# Altium PCB PCB_Ruler_v2.0.PcbDoc (part 2 of 3)
Units mm, origin at the board's own origin, x right, y up, seen from the top; angles counter-clockwise.
Board outline 210.01 x 40 mm, 2 copper layers (Top Layer, Bottom Layer); 1 components, 0 nets, 962 pads, 0 vias.
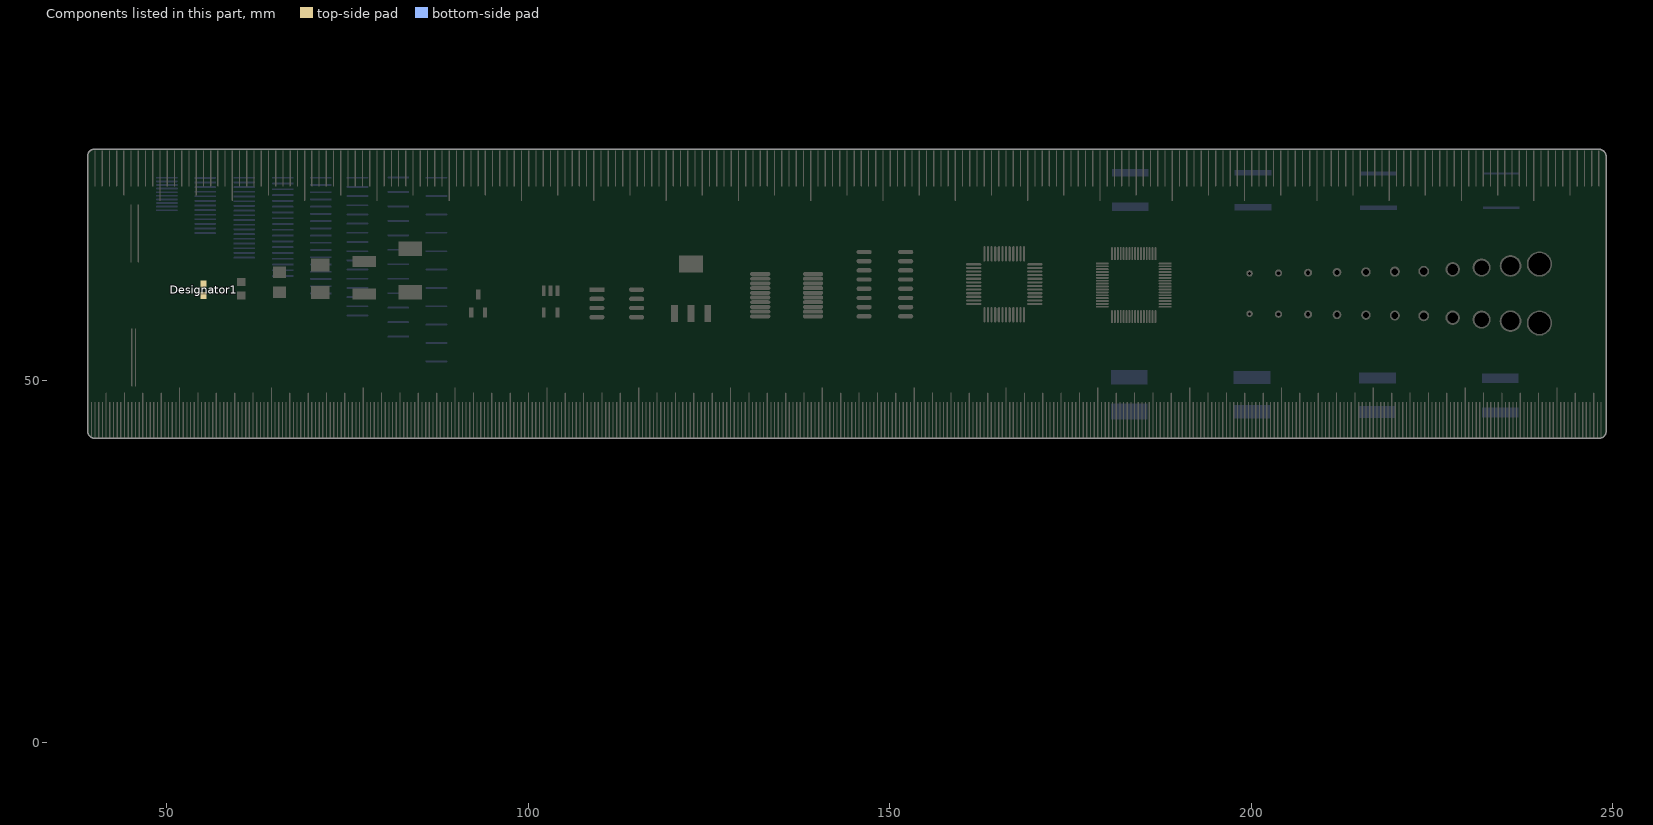
[diagram p2: the components of this part, seen from the top]

## Nets (pads, with @x,y where several pads share a name; then routed paths per layer and width w, separated by ;. In a path a pad name is that pad's centre, name@x,y a point inside that pad or via, vN(x,y) a via of type N, cw(c..) or ccw(c..) an arc to the next point about the centre after c; other vN are vias at no path point) (continued)
copper on no net: (continued)
  Bottom Layer w0.051: 121.666,73.872 122.479,73.872 ; 121.666,73.923 122.479,73.923 ; 121.666,73.974 122.53,73.974 ; 121.666,74.025 123.394,74.025 ; 121.717,73.771 122.581,73.771 ; 121.717,73.822 122.479,73.822 ; 121.717,74.076 123.038,74.076 ; 121.717,74.126 122.987,74.126 ; 121.819,74.177 122.987,74.177 ; 121.87,70.418 122.022,70.418 ; 121.92,70.367 121.971,70.367 ; 121.971,70.266 122.022,70.266 ; 121.971,70.316 122.022,70.316 ; 121.971,73.72 123.292,73.72 ; 122.022,70.164 122.073,70.164 ; 122.022,70.215 122.073,70.215 ; 122.073,70.062 122.225,70.062 ; 122.073,70.113 122.225,70.113 ; 122.124,69.91 122.174,69.91 ; 122.124,69.961 122.174,69.961 ; 122.124,70.012 122.174,70.012 ; 122.124,70.164 122.276,70.164 ; 122.124,70.215 122.276,70.215 ; 122.124,72.653 123.546,72.653 ; 122.124,72.704 123.495,72.704 ; 122.124,72.755 123.444,72.755 ; 122.174,69.808 122.276,69.808 ; 122.174,69.859 122.225,69.859 ; 122.174,70.266 122.276,70.266 ; 122.174,70.316 122.327,70.316 ; 122.174,70.418 122.378,70.418 ; 122.174,72.552 123.8,72.552 ; 122.174,72.602 123.648,72.602 ; 122.174,72.806 123.444,72.806 ; 122.174,72.856 122.682,72.856 ; 122.225,69.707 122.378,69.707 ; 122.225,69.758 122.378,69.758 ; 122.225,70.367 122.327,70.367 ; 122.225,75.193 122.632,75.193 ; 122.225,75.244 122.632,75.244 ; 122.225,75.295 122.682,75.295 ; 122.225,75.346 122.733,75.346 ; 122.225,75.396 122.733,75.396 ; 122.225,75.447 122.733,75.447 ; 122.276,75.041 122.632,75.041 ; 122.276,75.092 122.632,75.092 ; 122.276,75.142 122.632,75.142 ; 122.276,75.498 122.733,75.498 ; 122.327,74.888 122.632,74.888 ; 122.327,74.939 122.632,74.939 ; 122.327,74.99 122.632,74.99 ; 122.327,75.549 122.632,75.549 ; 122.378,74.685 122.682,74.685 ; 122.378,74.736 122.682,74.736 ; 122.378,74.787 122.632,74.787 ; 122.378,74.838 122.632,74.838 ; 122.378,75.6 122.428,75.6 ; 122.428,72.501 124.003,72.501 ; 122.428,74.533 122.733,74.533 ; 122.428,74.584 122.733,74.584 ; 122.428,74.634 122.682,74.634 ; 122.479,70.012 122.733,70.012 ; 122.479,70.418 122.784,70.418 ; 122.479,73.669 123.394,73.669 ; 122.479,74.228 122.987,74.228 ; 122.479,74.38 123.292,74.38 ; 122.479,74.431 122.784,74.431 ; 122.479,74.482 122.733,74.482 ; 122.53,69.961 122.682,69.961 ; 122.53,74.279 123.038,74.279 ; 122.53,74.33 123.14,74.33 ; 122.581,70.469 122.733,70.469 ; 122.632,70.062 122.733,70.062 ; 122.632,70.113 122.733,70.113 ; 122.632,70.164 122.733,70.164 ; 122.632,70.215 122.733,70.215 ; 122.632,70.266 122.733,70.266 ; 122.632,70.316 122.733,70.316 ; 122.632,70.367 122.733,70.367 ; 122.632,70.52 122.682,70.52 ; 122.632,70.57 122.682,70.57 ; 122.682,73.618 123.546,73.618 ; 122.682,73.974 123.698,73.974 ; 122.733,73.466 123.851,73.466 ; 122.733,73.517 123.749,73.517 ; 122.733,73.568 123.648,73.568 ; 122.784,73.415 123.952,73.415 ; 122.784,74.888 123.241,74.888 ; 122.784,74.939 123.241,74.939 ; 122.784,74.99 123.241,74.99 ; 122.835,73.364 124.003,73.364 ; 122.835,74.431 124.156,74.431 ; 122.835,74.584 124.206,74.584 ; 122.835,74.634 124.206,74.634 ; 122.835,74.685 124.257,74.685 ; 122.835,74.736 123.343,74.736 ; 122.835,74.787 123.241,74.787 ; 122.835,74.838 123.241,74.838 ; 122.835,75.041 123.902,75.041 ; 122.835,75.092 123.597,75.092 ; 122.886,69.961 123.14,69.961 ; 122.886,73.314 123.444,73.314 ; 122.886,74.482 124.156,74.482 ; 122.886,74.533 124.206,74.533 ; 122.886,75.142 123.597,75.142 ; 122.936,70.012 123.089,70.012 ; 122.936,70.062 123.038,70.062 ; 122.936,70.113 123.038,70.113 ; 122.936,70.164 123.038,70.164 ; 122.936,70.215 123.038,70.215 ; 122.936,70.266 123.038,70.266 ; 122.936,70.316 123.038,70.316 ; 122.936,70.367 123.089,70.367 ; 122.936,70.418 123.14,70.418 ; 122.936,70.469 122.987,70.469 ; 122.936,70.672 123.089,70.672 ; 122.936,70.723 123.089,70.723 ; 122.936,72.399 123.292,72.399 ; 122.936,72.45 124.156,72.45 ; 122.936,73.771 123.089,73.771 ; 122.936,75.193 123.902,75.193 ; 122.987,70.774 123.038,70.774 ; 122.987,71.79 123.343,71.79 ; 122.987,71.84 123.292,71.84 ; 122.987,71.891 123.292,71.891 ; 122.987,71.942 123.292,71.942 ; 122.987,71.993 123.241,71.993 ; 122.987,72.044 123.241,72.044 ; 122.987,72.094 123.241,72.094 ; 122.987,72.145 123.241,72.145 ; 122.987,72.196 123.241,72.196 ; 122.987,72.247 123.241,72.247 ; 122.987,72.298 123.241,72.298 ; 122.987,72.348 123.241,72.348 ; 122.987,73.263 123.444,73.263 ; 122.987,75.244 123.952,75.244 ; 123.038,71.586 123.698,71.586 ; 123.038,71.637 123.749,71.637 ; 123.038,71.688 123.8,71.688 ; 123.038,71.739 123.343,71.739 ; 123.038,75.295 124.003,75.295 ; 123.089,71.485 123.648,71.485 ; 123.089,71.536 123.698,71.536 ; 123.089,72.856 123.444,72.856 ; 123.089,73.212 123.444,73.212 ; 123.089,75.346 123.394,75.346 ; 123.089,75.396 123.343,75.396 ; 123.089,75.447 123.343,75.447 ; 123.089,75.498 123.292,75.498 ; 123.14,71.434 123.597,71.434 ; 123.14,72.907 123.444,72.907 ; 123.14,75.549 123.292,75.549 ; 123.14,75.6 123.241,75.6 ; 123.19,71.383 123.546,71.383 ; 123.19,72.958 123.495,72.958 ; 123.19,73.009 123.546,73.009 ; 123.19,73.06 123.597,73.06 ; 123.19,73.11 123.597,73.11 ; 123.19,73.161 123.546,73.161 ; 123.19,75.65 123.241,75.65 ; 123.241,70.012 123.343,70.012 ; 123.241,70.062 123.343,70.062 ; 123.241,70.113 123.343,70.113 ; 123.241,70.164 123.444,70.164 ; 123.241,70.367 123.292,70.367 ; 123.241,70.418 123.343,70.418 ; 123.241,71.332 123.495,71.332 ; 123.292,69.961 123.495,69.961 ; 123.292,70.215 123.495,70.215 ; 123.343,70.266 123.495,70.266 ; 123.343,70.469 123.394,70.469 ; 123.343,74.38 124.156,74.38 ; 123.394,70.316 123.546,70.316 ; 123.394,70.418 123.495,70.418 ; 123.394,74.33 124.105,74.33 ; 123.394,74.736 124.257,74.736 ; 123.394,74.99 124.359,74.99 ; 123.444,70.012 123.546,70.012 ; 123.444,70.367 123.546,70.367 ; 123.444,73.923 124.003,73.923 ; 123.444,74.787 124.257,74.787 ; 123.444,74.888 124.308,74.888 ; 123.444,74.939 124.308,74.939 ; 123.495,70.062 123.546,70.062 ; 123.495,71.739 123.8,71.739 ; 123.495,72.399 124.257,72.399 ; 123.495,74.025 123.648,74.025 ; 123.495,74.228 124.105,74.228 ; 123.495,74.279 124.105,74.279 ; 123.495,74.838 124.308,74.838 ; 123.546,71.79 123.851,71.79 ; 123.546,73.872 124.054,73.872 ; 123.546,74.076 123.648,74.076 ; 123.546,74.126 123.698,74.126 ; 123.546,74.177 124.054,74.177 ; 123.597,70.418 123.749,70.418 ; 123.597,71.84 123.851,71.84 ; 123.597,73.314 123.952,73.314 ; 123.597,75.346 124.003,75.346 ; 123.648,70.367 123.952,70.367 ; 123.648,71.891 123.902,71.891 ; 123.648,71.942 123.902,71.942 ; 123.648,72.348 124.41,72.348 ; 123.648,73.822 124.105,73.822 ; 123.648,75.142 123.902,75.142 ; 123.698,69.961 124.003,69.961 ; 123.698,71.993 123.902,71.993 ; 123.698,75.092 123.851,75.092 ; 123.749,72.044 123.902,72.044 ; 123.749,73.771 124.511,73.771 ; 123.749,74.126 124.054,74.126 ; 123.8,70.012 123.952,70.012 ; 123.8,70.062 123.952,70.062 ; 123.8,70.113 123.952,70.113 ; 123.8,70.164 123.952,70.164 ; 123.8,70.215 123.952,70.215 ; 123.8,70.266 123.952,70.266 ; 123.8,70.316 123.952,70.316 ; 123.8,70.418 124.003,70.418 ; 123.8,70.469 123.851,70.469 ; 123.8,72.298 124.511,72.298 ; 123.8,73.974 124.003,73.974 ; 123.8,74.025 124.003,74.025 ; 123.8,74.076 124.054,74.076 ; 123.851,73.72 124.562,73.72 ; 123.902,72.247 124.511,72.247 ; 123.902,73.669 124.613,73.669 ; 124.003,72.196 124.41,72.196 ; 124.003,73.618 124.613,73.618 ; 124.054,72.145 124.257,72.145 ; 124.054,75.041 124.359,75.041 ; 124.054,75.092 124.308,75.092 ; 124.105,70.062 124.156,70.062 ; 124.105,70.266 124.257,70.266 ; 124.105,70.316 124.257,70.316 ; 124.105,72.094 124.206,72.094 ; 124.105,73.568 124.664,73.568 ; 124.105,75.142 124.206,75.142 ; 124.156,70.012 124.46,70.012 ; 124.156,70.367 124.257,70.367 ; 124.156,70.418 124.308,70.418 ; 124.206,73.517 124.714,73.517 ; 124.257,69.961 124.41,69.961 ; 124.257,73.466 124.714,73.466 ; 124.308,73.415 124.765,73.415 ; 124.308,73.822 124.41,73.822 ; 124.359,70.062 124.511,70.062 ; 124.359,70.113 124.511,70.113 ; 124.359,70.215 124.511,70.215 ; 124.359,70.418 124.41,70.418 ; 124.359,73.364 124.765,73.364 ; 124.41,70.164 124.511,70.164 ; 124.41,70.266 124.511,70.266 ; 124.41,70.316 124.511,70.316 ; 124.41,70.367 124.46,70.367 ; 124.41,73.263 124.765,73.263 ; 124.41,73.314 124.765,73.314 ; 124.46,73.212 124.765,73.212 ; 124.511,73.161 124.765,73.161 ; 124.562,73.11 124.765,73.11 ; 124.664,70.367 124.714,70.367 ; 124.664,70.418 124.765,70.418 ; 124.664,73.06 124.714,73.06 ; 124.714,70.266 124.765,70.266 ; 124.714,70.316 124.765,70.316 ; 124.765,70.164 124.816,70.164 ; 124.816,70.012 124.918,70.012 ; 124.816,70.062 124.968,70.062 ; 124.816,70.113 124.968,70.113 ; 124.867,69.961 124.918,69.961 ; 124.867,70.164 125.019,70.164 ; 124.918,70.215 125.019,70.215 ; 124.918,70.266 125.07,70.266 ; 124.918,70.316 125.07,70.316 ; 124.968,70.367 125.07,70.367 ; 124.968,70.418 125.121,70.418 ; 125.222,69.961 125.476,69.961 ; 125.273,70.012 125.426,70.012 ; 125.273,70.062 125.426,70.062 ; 125.273,70.113 125.426,70.113 ; 125.273,70.164 125.426,70.164 ; 125.273,70.215 125.426,70.215 ; 125.273,70.266 125.426,70.266 ; 125.273,70.316 125.426,70.316 ; 125.273,70.367 125.426,70.367 ; 125.273,70.418 125.476,70.418 ; 125.273,70.469 125.324,70.469 ; 125.273,70.672 125.426,70.672 ; 125.273,70.723 125.426,70.723 ; 125.324,70.774 125.375,70.774 ; 125.578,69.961 125.781,69.961 ; 125.578,70.012 125.781,70.012 ; 125.629,70.062 125.73,70.062 ; 125.629,70.113 125.73,70.113 ; 125.629,70.164 125.73,70.164 ; 125.629,70.215 125.73,70.215 ; 125.629,70.266 125.73,70.266 ; 125.629,70.316 125.73,70.316 ; 125.629,70.367 125.781,70.367 ; 125.629,70.418 125.883,70.418 ; 125.883,69.961 126.137,69.961 ; 125.883,70.367 126.086,70.367 ; 125.934,70.012 126.086,70.012 ; 125.934,70.062 126.086,70.062 ; 125.934,70.113 126.086,70.113 ; 125.934,70.164 126.086,70.164 ; 125.934,70.215 126.086,70.215 ; 125.934,70.266 126.086,70.266 ; 125.934,70.316 126.086,70.316 ; 125.934,70.418 126.137,70.418 ; 125.934,70.469 125.984,70.469 ; 126.188,70.723 126.442,70.723 ; 126.238,72.044 127,72.044 ; 126.289,70.164 126.34,70.164 ; 126.289,70.215 126.34,70.215 ; 126.289,70.266 126.34,70.266 ; 126.289,70.316 126.34,70.316 ; 126.289,70.367 126.34,70.367 ; 126.289,70.418 126.34,70.418 ; 126.289,70.469 126.34,70.469 ; 126.289,70.52 126.34,70.52 ; 126.289,70.57 126.34,70.57 ; 126.289,70.621 126.34,70.621 ; 126.289,70.672 126.391,70.672 ; 126.289,71.993 126.95,71.993 ; 126.289,72.094 127.051,72.094 ; 126.34,70.062 126.442,70.062 ; 126.34,70.113 126.391,70.113 ; 126.34,72.145 127.102,72.145 ; 126.391,70.012 126.543,70.012 ; 126.442,72.196 127.153,72.196 ; 126.492,69.961 126.746,69.961 ; 126.543,72.247 127.204,72.247 ; 126.594,72.298 127.254,72.298 ; 126.645,70.012 126.848,70.012 ; 126.645,72.348 127.305,72.348 ; 126.696,70.723 127.051,70.723 ; 126.746,70.062 126.899,70.062 ; 126.746,70.113 126.899,70.113 ; 126.746,72.399 127.356,72.399 ; 126.797,70.164 126.899,70.164 ; 126.797,70.215 126.95,70.215 ; 126.797,70.266 126.95,70.266 ; 126.797,70.316 126.95,70.316 ; 126.797,70.367 126.95,70.367 ; 126.797,70.418 126.95,70.418 ; 126.797,70.469 126.95,70.469 ; 126.797,70.52 126.95,70.52 ; 126.797,70.57 126.95,70.57 ; 126.797,70.621 126.95,70.621 ; 126.797,70.672 126.95,70.672 ; 126.797,72.45 127.407,72.45 ; 126.848,72.501 127.458,72.501 ; 126.848,73.872 128.118,73.872 ; 126.848,73.923 128.118,73.923 ; 126.848,73.974 128.067,73.974 ; 126.848,74.025 128.067,74.025 ; 126.848,74.076 128.067,74.076 ; 126.899,73.822 128.169,73.822 ; 126.95,72.552 127.508,72.552 ; 127,72.602 127.559,72.602 ; 127,73.771 128.27,73.771 ; 127.051,72.653 127.61,72.653 ; 127.153,72.704 127.61,72.704 ; 127.153,73.72 128.423,73.72 ; 127.153,74.126 128.067,74.126 ; 127.204,72.755 127.661,72.755 ; 127.254,72.806 127.712,72.806 ; 127.356,72.856 127.813,72.856 ; 127.407,72.907 128.321,72.907 ; 127.458,72.958 128.321,72.958 ; 127.458,73.669 128.524,73.669 ; 127.508,70.012 127.61,70.012 ; 127.508,70.062 127.61,70.062 ; 127.508,70.113 127.661,70.113 ; 127.508,70.164 127.712,70.164 ; 127.508,70.367 127.559,70.367 ; 127.508,70.418 127.61,70.418 ; 127.508,74.177 128.067,74.177 ; 127.508,74.228 128.067,74.228 ; 127.508,74.279 128.067,74.279 ; 127.508,74.33 128.067,74.33 ; 127.508,74.38 128.067,74.38 ; 127.508,74.431 128.067,74.431 ; 127.508,74.482 128.067,74.482 ; 127.508,74.533 128.067,74.533 ; 127.508,74.584 128.067,74.584 ; 127.508,74.634 128.067,74.634 ; 127.508,74.685 128.067,74.685 ; 127.508,74.736 128.067,74.736 ; 127.508,74.787 128.067,74.787 ; 127.508,74.838 128.067,74.838 ; 127.508,74.888 128.067,74.888 ; 127.559,69.961 127.762,69.961 ; 127.559,70.215 127.762,70.215 ; 127.559,73.009 128.27,73.009 ; 127.559,73.618 128.626,73.618 ; 127.559,74.939 128.067,74.939 ; 127.61,70.266 127.813,70.266 ; 127.61,70.469 127.661,70.469 ; 127.61,73.06 128.27,73.06 ; 127.61,73.568 128.626,73.568 ; 127.61,74.99 128.067,74.99 ; 127.61,75.041 128.067,75.041 ; 127.661,70.316 127.813,70.316 ; 127.661,70.418 127.762,70.418 ; 127.661,73.11 128.27,73.11 ; 127.661,73.517 128.626,73.517 ; 127.661,75.092 128.067,75.092 ; 127.712,70.012 127.813,70.012 ; 127.712,70.367 127.813,70.367 ; 127.712,73.161 128.22,73.161 ; 127.712,73.364 128.474,73.364 ; 127.712,73.415 128.575,73.415 ; 127.712,73.466 128.626,73.466 ; 127.762,70.062 127.813,70.062 ; 127.762,73.212 128.22,73.212 ; 127.762,73.263 128.22,73.263 ; 127.762,73.314 128.27,73.314 ; 127.762,75.142 128.016,75.142 ; 127.864,72.856 128.372,72.856 ; 127.915,70.012 128.016,70.012 ; 127.915,70.062 128.016,70.062 ; 127.915,70.113 128.067,70.113 ; 127.915,70.164 128.118,70.164 ; 127.915,72.806 128.372,72.806 ; 127.966,69.961 128.22,69.961 ; 127.966,70.215 128.169,70.215 ; 127.966,70.418 128.016,70.418 ; 127.966,72.704 128.423,72.704 ; 127.966,72.755 128.372,72.755 ; 128.016,70.266 128.22,70.266 ; 128.016,70.469 128.067,70.469 ; 128.016,72.653 128.423,72.653 ; 128.067,72.602 128.474,72.602 ; 128.118,70.316 128.22,70.316 ; 128.118,70.367 128.22,70.367 ; 128.118,70.418 128.22,70.418 ; 128.118,72.552 128.474,72.552 ; 128.169,70.012 128.22,70.012 ; 128.169,72.501 128.524,72.501 ; 128.22,72.399 128.575,72.399 ; 128.22,72.45 128.575,72.45 ; 128.27,72.348 128.626,72.348 ; 128.321,70.266 128.474,70.266 ; 128.321,72.298 128.677,72.298 ; 128.372,70.062 128.423,70.062 ; 128.372,70.316 128.474,70.316 ; 128.372,70.367 128.474,70.367 ; 128.372,72.247 128.728,72.247 ; 128.423,70.012 128.728,70.012 ; 128.423,70.418 128.524,70.418 ; 128.474,72.196 128.778,72.196 ; 128.524,69.961 128.626,69.961 ; 128.524,72.145 128.829,72.145 ; 128.575,70.062 128.728,70.062 ; 128.575,70.418 128.677,70.418 ; 128.575,72.094 128.931,72.094 ; 128.626,70.113 128.778,70.113 ; 128.626,70.164 128.778,70.164 ; 128.626,70.215 128.778,70.215 ; 128.626,70.266 128.778,70.266 ; 128.626,70.316 128.728,70.316 ; 128.626,70.367 128.728,70.367 ; 128.677,72.044 128.982,72.044 ; 128.728,71.993 129.083,71.993 ; 128.88,69.961 129.134,69.961 ; 128.88,71.942 129.185,71.942 ; 128.931,70.012 129.083,70.012 ; 128.931,70.062 129.083,70.062 ; 128.931,70.113 129.032,70.113 ; 128.931,70.164 129.032,70.164 ; 128.931,70.215 129.032,70.215 ; 128.931,70.266 129.083,70.266 ; 128.931,70.316 129.083,70.316 ; 128.931,70.367 129.083,70.367 ; 128.982,70.418 129.185,70.418 ; 129.185,69.961 129.439,69.961 ; 129.236,70.012 129.388,70.012 ; 129.236,70.367 129.388,70.367 ; 129.286,70.062 129.388,70.062 ; 129.286,70.113 129.388,70.113 ; 129.286,70.164 129.388,70.164 ; 129.286,70.215 129.388,70.215 ; 129.286,70.266 129.388,70.266 ; 129.286,70.316 129.388,70.316 ; 129.286,70.418 129.439,70.418 ; 129.286,70.469 129.337,70.469 ; 129.54,69.961 129.794,69.961 ; 129.591,70.012 129.744,70.012 ; 129.591,70.062 129.744,70.062 ; 129.591,70.113 129.693,70.113 ; 129.591,70.164 129.693,70.164 ; 129.591,70.215 129.693,70.215 ; 129.591,70.266 129.693,70.266 ; 129.591,70.316 129.693,70.316 ; 129.591,70.367 129.744,70.367 ; 129.591,70.418 129.794,70.418 ; 129.591,70.469 129.642,70.469 ; 129.591,70.672 129.744,70.672 ; 129.591,70.723 129.744,70.723 ; 129.642,70.774 129.693,70.774 ; 129.896,70.012 129.998,70.012 ; 129.896,70.062 129.998,70.062 ; 129.896,70.113 130.048,70.113 ; 129.896,70.164 130.099,70.164 ; 129.896,70.367 129.947,70.367 ; 129.896,70.418 129.998,70.418 ; 129.947,69.961 130.15,69.961 ; 129.947,70.215 130.15,70.215 ; 129.998,70.266 130.201,70.266 ; 129.998,70.469 130.048,70.469 ; 130.048,70.316 130.201,70.316 ; 130.048,70.418 130.15,70.418 ; 130.099,70.012 130.201,70.012 ; 130.099,70.367 130.201,70.367 ; 130.15,70.062 130.201,70.062 ; 130.353,70.012 130.506,70.012 ; 130.353,70.062 130.506,70.062 ; 130.353,70.113 130.455,70.113 ; 130.353,70.164 130.455,70.164 ; 130.353,70.215 130.455,70.215 ; 130.353,70.266 130.455,70.266 ; 130.353,70.316 130.455,70.316 ; 130.353,70.367 130.506,70.367 ; 130.353,70.418 130.556,70.418 ; 130.353,70.469 130.404,70.469 ; 130.404,69.961 130.455,69.961 ; 130.556,70.012 130.81,70.012 ; 130.556,72.145 131.064,72.145 ; 130.556,72.196 131.064,72.196 ; 130.556,72.247 131.064,72.247 ; 130.556,72.298 131.064,72.298 ; 130.556,72.348 131.014,72.348 ; 130.556,72.399 131.014,72.399 ; 130.556,72.45 131.014,72.45 ; 130.556,72.501 131.014,72.501 ; 130.556,72.552 131.014,72.552 ; 130.556,72.602 131.014,72.602 ; 130.556,72.653 131.014,72.653 ; 130.556,72.704 131.014,72.704 ; 130.556,72.755 131.014,72.755 ; 130.556,72.806 131.014,72.806 ; 130.556,72.856 131.014,72.856 ; 130.556,72.907 131.014,72.907 ; 130.556,72.958 131.014,72.958 ; 130.556,73.009 131.014,73.009 ; 130.556,73.06 131.014,73.06 ; 130.556,73.11 131.014,73.11 ; 130.556,73.161 131.014,73.161 ; 130.556,73.212 131.014,73.212 ; 130.556,73.263 131.014,73.263 ; 130.556,73.314 131.014,73.314 ; 130.556,73.364 131.014,73.364 ; 130.607,71.688 131.115,71.688 ; 130.607,71.739 131.115,71.739 ; 130.607,71.79 131.064,71.79 ; 130.607,71.84 131.064,71.84 ; 130.607,71.891 131.064,71.891 ; 130.607,71.942 131.064,71.942 ; 130.607,71.993 131.064,71.993 ; 130.607,72.044 131.064,72.044 ; 130.607,72.094 131.064,72.094 ; 130.607,73.415 131.014,73.415 ; 130.607,73.466 131.014,73.466 ; 130.607,73.517 131.064,73.517 ; 130.607,73.568 131.064,73.568 ; 130.607,73.618 131.064,73.618 ; 130.607,73.669 131.064,73.669 ; 130.607,73.72 131.064,73.72 ; 130.607,73.771 131.115,73.771 ; 130.658,69.961 130.76,69.961 ; 130.658,70.062 130.81,70.062 ; 130.658,70.113 130.81,70.113 ; 130.658,71.485 131.268,71.485 ; 130.658,71.536 131.318,71.536 ; 130.658,71.586 131.318,71.586 ; 130.658,71.637 131.318,71.637 ; 130.658,73.822 131.115,73.822 ; 130.658,73.872 131.166,73.872 ; 130.709,70.164 130.81,70.164 ; 130.709,70.215 130.81,70.215 ; 130.709,70.266 130.81,70.266 ; 130.709,70.316 130.81,70.316 ; 130.709,70.367 130.81,70.367 ; 130.709,70.418 130.861,70.418 ; 130.709,71.383 131.115,71.383 ; 130.709,71.434 131.217,71.434 ; 130.709,73.923 132.588,73.923 ; 130.76,71.332 131.064,71.332 ; 130.76,73.974 132.588,73.974 ; 130.81,74.025 132.08,74.025 ; 130.912,74.076 131.318,74.076 ; 130.963,70.113 131.115,70.113 ; 130.963,70.164 131.115,70.164 ; 130.963,70.215 131.115,70.215 ; 130.963,70.266 131.115,70.266 ; 131.014,70.062 131.166,70.062 ; 131.014,70.316 131.166,70.316 ; 131.014,70.469 131.166,70.469 ; 131.014,70.52 131.166,70.52 ; 131.014,70.57 131.166,70.57 ; 131.014,70.621 131.166,70.621 ; 131.014,74.888 132.385,74.888 ; 131.014,74.939 132.284,74.939 ; 131.014,74.99 132.182,74.99 ; 131.014,75.041 132.08,75.041 ; 131.014,75.092 132.03,75.092 ; 131.064,70.012 131.217,70.012 ; 131.064,70.367 131.217,70.367 ; 131.064,70.672 131.217,70.672 ; 131.064,74.838 132.487,74.838 ; 131.115,70.418 131.268,70.418 ; 131.115,70.723 131.674,70.723 ; 131.166,69.961 131.674,69.961 ; 131.166,74.787 132.588,74.787 ; 131.217,73.11 131.928,73.11 ; 131.217,73.161 131.877,73.161 ; 131.217,73.212 131.877,73.212 ; 131.217,73.263 131.877,73.263 ; 131.217,73.314 131.928,73.314 ; 131.217,74.584 132.893,74.584 ; 131.217,74.634 132.893,74.634 ; 131.217,74.685 132.842,74.685 ; 131.217,74.736 132.69,74.736 ; 131.268,73.06 132.03,73.06 ; 131.268,73.364 131.928,73.364 ; 131.268,74.482 131.674,74.482 ; 131.268,74.533 132.893,74.533 ; 131.318,73.415 131.979,73.415 ; 131.318,74.431 131.674,74.431 ; 131.369,70.012 131.572,70.012 ; 131.369,70.062 131.522,70.062 ; 131.369,70.367 131.522,70.367 ; 131.369,70.418 131.522,70.418 ; 131.369,72.602 132.436,72.602 ; 131.369,72.653 132.385,72.653 ; 131.369,72.704 132.385,72.704 ; 131.369,72.755 132.334,72.755 ; 131.369,74.38 131.725,74.38 ; 131.42,70.113 131.522,70.113 ; 131.42,70.164 131.522,70.164 ; 131.42,70.215 131.522,70.215 ; 131.42,70.266 131.522,70.266 ; 131.42,70.316 131.522,70.316 ; 131.42,70.469 131.522,70.469 ; 131.42,70.52 131.522,70.52 ; 131.42,70.57 131.522,70.57 ; 131.42,70.621 131.522,70.621 ; 131.42,70.672 131.572,70.672 ; 131.42,72.501 132.487,72.501 ; 131.42,72.552 132.436,72.552 ; 131.42,72.806 131.776,72.806 ; 131.42,73.872 132.487,73.872 ; 131.42,74.33 131.776,74.33 ; 131.42,75.142 131.979,75.142 ; 131.42,75.193 131.928,75.193 ; 131.42,75.244 131.928,75.244 ; 131.42,75.295 131.928,75.295 ; 131.471,72.145 132.436,72.145 ; 131.471,72.45 131.979,72.45 ; 131.471,74.279 131.826,74.279 ; 131.471,75.346 131.979,75.346 ; 131.522,72.094 132.131,72.094 ; 131.522,72.196 132.436,72.196 ; 131.522,72.247 132.436,72.247 ; 131.522,72.399 131.979,72.399 ; 131.522,73.822 132.487,73.822 ; 131.522,75.396 132.08,75.396 ; 131.572,72.044 132.08,72.044 ; 131.572,72.298 132.487,72.298 ; 131.572,72.348 132.03,72.348 ; 131.572,72.856 131.725,72.856 ; 131.572,73.009 132.08,73.009 ; 131.572,73.466 131.979,73.466 ; 131.572,74.228 131.877,74.228 ; 131.572,75.447 132.131,75.447 ; 131.623,71.993 131.928,71.993 ; 131.623,73.517 131.979,73.517 ; 131.623,73.568 132.03,73.568 ; 131.623,73.72 132.538,73.72 ; 131.623,73.771 132.487,73.771 ; 131.623,74.177 131.928,74.177 ; 131.674,73.618 132.639,73.618 ; 131.674,73.669 132.588,73.669 ; 131.674,74.076 132.03,74.076 ; 131.674,74.126 131.979,74.126 ; 131.674,75.498 132.182,75.498 ; 131.776,75.549 132.182,75.549 ; 131.826,72.958 132.131,72.958 ; 131.826,74.482 132.08,74.482 ; 131.877,74.431 132.08,74.431 ; 131.928,74.38 132.131,74.38 ; 131.979,74.33 132.182,74.33 ; 132.03,72.907 132.233,72.907 ; 132.03,74.279 132.487,74.279 ; 132.03,75.6 132.233,75.6 ; 132.08,72.45 132.487,72.45 ; 132.08,72.806 132.284,72.806 ; 132.08,72.856 132.284,72.856 ; 132.08,74.177 132.538,74.177 ; 132.08,74.228 132.538,74.228 ; 132.131,70.012 132.284,70.012 ; 132.131,72.348 132.487,72.348 ; 132.131,72.399 132.487,72.399 ; 132.131,73.568 132.639,73.568 ; 132.131,74.126 132.588,74.126 ; 132.182,70.062 132.334,70.062 ; 132.182,70.113 132.284,70.113 ; 132.182,70.164 132.284,70.164 ; 132.182,70.215 132.284,70.215 ; 132.182,70.266 132.284,70.266 ; 132.182,70.316 132.284,70.316 ; 132.182,70.367 132.284,70.367 ; 132.182,70.418 132.334,70.418 ; 132.182,70.469 132.334,70.469 ; 132.182,70.52 132.284,70.52 ; 132.182,70.57 132.284,70.57 ; 132.182,70.621 132.284,70.621 ; 132.182,70.672 132.334,70.672 ; 132.182,70.723 132.385,70.723 ; 132.182,70.774 132.284,70.774 ; 132.182,73.466 132.538,73.466 ; 132.182,73.517 132.639,73.517 ; 132.182,74.025 132.588,74.025 ; 132.182,74.076 132.588,74.076 ; 132.182,74.482 132.893,74.482 ; 132.233,69.961 132.284,69.961 ; 132.233,73.314 132.538,73.314 ; 132.233,73.364 132.487,73.364 ; 132.233,73.415 132.487,73.415 ; 132.233,74.33 132.487,74.33 ; 132.233,74.38 132.538,74.38 ; 132.233,74.431 132.842,74.431 ; 132.284,73.212 132.588,73.212 ; 132.284,73.263 132.538,73.263 ; 132.334,70.012 132.639,70.012 ; 132.334,73.11 132.639,73.11 ; 132.334,73.161 132.639,73.161 ; 132.385,70.469 132.436,70.469 ; 132.385,73.009 132.639,73.009 ; 132.385,73.06 132.639,73.06 ; 132.436,69.961 132.538,69.961 ; 132.436,72.958 132.639,72.958 ; 132.487,70.062 132.639,70.062 ; 132.487,70.418 132.588,70.418 ; 132.487,72.907 132.639,72.907 ; 132.538,70.113 132.69,70.113 ; 132.538,70.164 132.69,70.164 ; 132.538,70.215 132.69,70.215 ; 132.538,70.266 132.639,70.266 ; 132.538,70.316 132.639,70.316 ; 132.538,70.367 132.588,70.367 ; 132.741,73.212 132.995,73.212 ; 132.741,73.263 132.995,73.263 ; 132.741,73.314 132.995,73.314 ; 132.741,73.364 132.995,73.364 ; 132.741,73.415 132.944,73.415 ; 132.741,73.466 132.893,73.466 ; 132.792,69.961 132.995,69.961 ; 132.792,72.958 133.096,72.958 ; 132.792,73.009 133.046,73.009 ; 132.792,73.06 133.046,73.06 ; 132.792,73.11 133.046,73.11 ; 132.792,73.161 133.046,73.161 ; 132.842,70.012 132.995,70.012 ; 132.842,70.062 132.944,70.062 ; 132.842,70.113 132.944,70.113 ; 132.842,70.164 132.944,70.164 ; 132.842,70.215 132.944,70.215 ; 132.842,70.266 132.944,70.266 ; 132.842,70.316 132.944,70.316 ; 132.842,70.367 132.995,70.367 ; 132.842,70.418 133.096,70.418 ; 132.842,72.602 133.147,72.602 ; 132.842,72.653 133.147,72.653 ; 132.842,72.704 133.147,72.704 ; 132.842,72.755 133.147,72.755 ; 132.842,72.806 133.096,72.806 ; 132.842,72.856 133.096,72.856 ; 132.842,72.907 133.096,72.907 ; 132.893,71.637 133.096,71.637 ; 132.893,71.688 133.147,71.688 ; 132.893,71.739 133.147,71.739 ; 132.893,71.79 133.147,71.79 ; 132.893,71.84 133.147,71.84 ; 132.893,71.891 133.147,71.891 ; 132.893,71.942 133.147,71.942 ; 132.893,71.993 133.147,71.993 ; 132.893,72.044 133.147,72.044 ; 132.893,72.094 133.147,72.094 ; 132.893,72.145 133.147,72.145 ; 132.893,72.196 133.147,72.196 ; 132.893,72.247 133.147,72.247 ; 132.893,72.298 133.147,72.298 ; 132.893,72.348 133.147,72.348 ; 132.893,72.399 133.147,72.399 ; 132.893,72.45 133.147,72.45 ; 132.893,72.501 133.147,72.501 ; 132.893,72.552 133.147,72.552 ; 132.944,71.586 133.046,71.586 ; 133.096,69.961 133.35,69.961 ; 133.096,70.367 133.3,70.367 ; 133.147,70.012 133.3,70.012 ; 133.147,70.062 133.3,70.062 ; 133.147,70.113 133.3,70.113 ; 133.147,70.164 133.3,70.164 ; 133.147,70.215 133.3,70.215 ; 133.147,70.266 133.3,70.266 ; 133.147,70.316 133.3,70.316 ; 133.147,70.418 133.35,70.418 ; 133.147,70.469 133.198,70.469 ; 133.452,70.012 133.655,70.012 ; 133.503,69.961 133.554,69.961 ; 133.503,70.062 133.604,70.062 ; 133.503,70.113 133.604,70.113 ; 133.503,70.164 133.604,70.164 ; 133.503,70.215 133.604,70.215 ; 133.503,70.266 133.655,70.266 ; 133.503,70.316 133.604,70.316 ; 133.503,70.367 133.604,70.367 ; 133.554,70.418 133.655,70.418 ; 133.655,70.215 133.757,70.215 ; 133.706,69.961 133.808,69.961 ; 133.706,70.012 133.858,70.012 ; 133.706,70.418 133.808,70.418 ; 133.757,70.062 133.858,70.062 ; 133.757,70.113 133.858,70.113 ; 133.757,70.164 133.858,70.164 ; 133.757,70.367 133.858,70.367 ; 133.808,70.316 133.858,70.316 ; 134.366,70.418 134.519,70.418 ; 134.417,70.316 134.468,70.316 ; 134.417,70.367 134.468,70.367 ; 134.468,70.215 134.519,70.215 ; 134.468,70.266 134.519,70.266 ; 134.519,70.113 134.722,70.113 ; 134.57,70.012 134.671,70.012 ; 134.57,70.062 134.671,70.062 ; 134.57,70.164 134.722,70.164 ; 134.62,69.859 134.671,69.859 ; 134.62,69.91 134.671,69.91 ; 134.62,70.215 134.722,70.215 ; 134.62,70.266 134.773,70.266 ; 134.671,69.758 134.824,69.758 ; 134.671,69.808 134.773,69.808 ; 134.671,70.316 134.773,70.316 ; 134.671,70.367 134.824,70.367 ; 134.671,70.418 134.874,70.418 ; 134.671,72.552 137.16,72.552 ; 134.722,69.707 134.824,69.707 ; 134.722,72.399 137.618,72.399 ; 134.722,72.45 137.414,72.45 ; 134.722,72.501 137.262,72.501 ; 134.722,72.602 137.059,72.602 ; 134.722,72.653 136.957,72.653 ; 134.773,72.348 135.23,72.348 ; 134.773,72.704 136.906,72.704 ; 134.824,72.755 136.856,72.755 ; 134.874,72.806 135.84,72.806 ; 134.925,69.859 135.027,69.859 ; 134.925,70.367 134.976,70.367 ; 134.925,70.418 135.23,70.418 ; 134.976,69.758 135.078,69.758 ; 134.976,69.808 135.027,69.808 ; 134.976,69.91 135.382,69.91 ; 134.976,69.961 135.433,69.961 ; 134.976,72.856 135.687,72.856 ; 135.027,70.215 135.179,70.215 ; 135.027,70.266 135.128,70.266 ; 135.027,70.316 135.128,70.316 ; 135.027,70.367 135.179,70.367 ; 135.078,69.707 135.128,69.707 ; 135.078,70.164 135.23,70.164 ; 135.128,72.907 135.382,72.907 ; 135.23,69.707 135.433,69.707 ; 135.281,70.113 135.332,70.113 ; 135.281,70.164 135.382,70.164 ; 135.281,70.418 135.382,70.418 ; 135.332,69.758 135.484,69.758 ; 135.332,70.012 135.484,70.012 ; 135.332,70.062 135.433,70.062 ; 135.332,70.215 135.433,70.215 ; 135.332,70.266 135.433,70.266 ; 135.332,70.316 135.433,70.316 ; 135.332,70.367 135.433,70.367 ; 135.332,73.618 136.754,73.618 ; 135.332,73.669 136.856,73.669 ; 135.332,73.72 136.957,73.72 ; 135.332,73.771 137.059,73.771 ; 135.332,73.822 137.11,73.822 ; 135.332,73.872 137.11,73.872 ; 135.332,73.923 137.008,73.923 ; 135.382,69.808 135.484,69.808 ; 135.382,69.859 135.433,69.859 ; 135.382,73.466 136.398,73.466 ; 135.382,73.517 136.398,73.517 ; 135.382,73.568 136.602,73.568 ; 135.382,73.974 136.856,73.974 ; 135.382,74.025 136.703,74.025 ; 135.382,74.076 136.551,74.076 ; 135.433,73.364 136.449,73.364 ; 135.433,73.415 136.398,73.415 ; 135.433,74.126 136.398,74.126 ; 135.484,73.263 136.5,73.263 ; 135.484,73.314 136.449,73.314 ; 135.484,74.177 136.297,74.177 ; 135.586,70.164 135.738,70.164 ; 135.586,70.215 135.738,70.215 ; 135.586,70.266 135.738,70.266 ; 135.586,73.212 136.551,73.212 ; 135.586,74.228 136.144,74.228 ; 135.636,70.062 135.738,70.062 ; 135.636,70.113 135.738,70.113 ; 135.636,70.316 135.738,70.316 ; 135.636,70.367 135.789,70.367 ; 135.636,73.161 136.602,73.161 ; 135.687,70.012 135.789,70.012 ; 135.687,70.418 135.84,70.418 ; 135.687,73.11 136.602,73.11 ; 135.789,69.961 135.941,69.961 ; 135.789,73.06 136.652,73.06 ; 135.84,73.009 136.703,73.009 ; 135.89,72.958 136.703,72.958 ; 135.941,70.012 136.043,70.012 ; 135.941,70.062 136.094,70.062 ; 135.941,70.418 136.043,70.418 ; 135.992,70.113 136.094,70.113 ; 135.992,70.164 136.144,70.164 ; 135.992,70.215 136.144,70.215 ; 135.992,70.266 136.144,70.266 ; 135.992,70.316 136.094,70.316 ; 135.992,70.367 136.094,70.367 ; 135.992,72.806 136.805,72.806 ; 135.992,72.856 136.805,72.856 ; 135.992,72.907 136.754,72.907 ; 136.246,69.961 136.5,69.961 ; 136.246,70.012 136.398,70.012 ; 136.297,70.062 136.398,70.062 ; 136.297,70.113 136.398,70.113 ; 136.297,70.164 136.398,70.164 ; 136.297,70.215 136.398,70.215 ; 136.297,70.266 136.398,70.266 ; 136.297,70.316 136.398,70.316 ; 136.297,70.367 136.398,70.367 ; 136.297,70.418 136.398,70.418 ; 136.297,70.469 136.398,70.469 ; 136.297,70.52 136.398,70.52 ; 136.297,70.57 136.398,70.57 ; 136.297,70.621 136.398,70.621 ; 136.297,70.672 136.449,70.672 ; 136.297,70.723 136.5,70.723 ; 136.297,70.774 136.348,70.774 ; 136.5,72.348 137.821,72.348 ; 136.551,70.164 136.703,70.164 ; 136.551,70.215 136.703,70.215 ; 136.551,70.266 136.703,70.266 ; 136.602,70.062 136.703,70.062 ; 136.602,70.113 136.703,70.113 ; 136.602,70.316 136.703,70.316 ; 136.602,70.367 136.754,70.367 ; 136.652,70.012 136.754,70.012 ; 136.652,70.418 136.805,70.418 ; 136.754,69.961 136.906,69.961 ; 136.754,72.298 137.973,72.298 ; 136.856,70.012 137.008,70.012 ; 136.906,70.062 137.059,70.062 ; 136.906,70.418 136.957,70.418 ; 136.906,72.247 138.075,72.247 ; 136.957,70.113 137.059,70.113 ; 136.957,70.164 137.11,70.164 ; 136.957,70.215 137.11,70.215 ; 136.957,70.266 137.059,70.266 ; 136.957,70.316 137.059,70.316 ; 136.957,70.367 137.059,70.367 ; 137.059,72.196 138.126,72.196 ; 137.211,69.961 137.414,69.961 ; 137.211,72.145 138.126,72.145 ; 137.262,70.012 137.414,70.012 ; 137.262,70.062 137.364,70.062 ; 137.262,70.113 137.364,70.113 ; 137.262,70.164 137.364,70.164 ; 137.262,70.215 137.364,70.215 ; 137.262,70.266 137.364,70.266 ; 137.262,70.316 137.364,70.316 ; 137.262,70.367 137.414,70.367 ; 137.262,70.418 137.516,70.418 ; 137.313,72.094 138.024,72.094 ; 137.414,72.044 137.922,72.044 ; 137.465,71.993 137.821,71.993 ; 137.516,69.961 137.77,69.961 ; 137.516,70.367 137.719,70.367 ; 137.567,70.012 137.719,70.012 ; 137.567,70.062 137.719,70.062 ; 137.567,70.113 137.719,70.113 ; 137.567,70.164 137.719,70.164 ; 137.567,70.215 137.719,70.215 ; 137.567,70.266 137.719,70.266 ; 137.567,70.316 137.719,70.316 ; 137.567,70.418 137.77,70.418 ; 137.567,70.469 137.618,70.469 ; 137.872,69.961 138.075,69.961 ; 137.872,70.012 138.024,70.012 ; 137.922,70.062 138.024,70.062 ; 137.922,70.113 138.024,70.113 ; 137.922,70.164 138.024,70.164 ; 137.922,70.215 138.024,70.215 ; 137.922,70.266 138.024,70.266 ; 137.922,70.316 138.024,70.316 ; 137.922,70.367 138.075,70.367 ; 137.922,70.418 138.176,70.418 ; 138.176,69.961 138.43,69.961 ; 138.176,70.367 138.329,70.367 ; 138.227,70.012 138.38,70.012 ; 138.227,70.062 138.329,70.062 ; 138.227,70.113 138.329,70.113 ; 138.227,70.164 138.329,70.164 ; 138.227,70.215 138.329,70.215 ; 138.227,70.266 138.329,70.266 ; 138.227,70.316 138.329,70.316 ; 138.227,70.418 138.329,70.418 ; 138.227,70.469 138.329,70.469 ; 138.227,70.52 138.329,70.52 ; 138.227,70.57 138.329,70.57 ; 138.227,70.621 138.329,70.621 ; 138.227,70.672 138.38,70.672 ; 138.227,70.723 138.43,70.723 ; 138.227,70.774 138.329,70.774 ; 138.532,70.012 138.583,70.012 ; 138.532,70.367 138.634,70.367 ; 138.532,70.418 138.684,70.418 ; 138.634,69.961 138.786,69.961 ; 138.634,70.469 138.684,70.469 ; 138.735,70.012 138.888,70.012 ; 138.735,70.418 138.837,70.418 ; 138.786,70.062 138.938,70.062 ; 138.786,70.113 138.938,70.113 ; 138.786,70.316 138.938,70.316 ; 138.786,70.367 138.888,70.367 ; 138.837,70.164 138.938,70.164 ; 138.837,70.215 138.938,70.215 ; 138.837,70.266 138.938,70.266 ; 139.04,70.266 139.192,70.266 ; 139.04,71.536 139.802,71.536 ; 139.04,71.586 139.853,71.586 ; 139.04,71.637 139.954,71.637 ; 139.091,70.062 139.142,70.062 ; 139.091,70.316 139.192,70.316 ; 139.091,70.367 139.192,70.367 ; 139.091,71.688 140.005,71.688 ; 139.142,70.012 139.446,70.012 ; 139.142,70.418 139.243,70.418 ; 139.142,71.485 139.751,71.485 ; 139.142,71.739 140.056,71.739 ; 139.192,71.434 139.7,71.434 ; 139.192,71.79 140.158,71.79 ; 139.192,73.771 140.92,73.771 ; 139.192,73.822 140.92,73.822 ; 139.243,69.961 139.345,69.961 ; 139.243,73.72 141.021,73.72 ; 139.243,73.872 139.751,73.872 ; 139.294,70.062 139.446,70.062 ; 139.294,70.418 139.396,70.418 ; 139.294,71.84 140.208,71.84 ; 139.294,73.669 141.072,73.669 ; 139.345,70.113 139.497,70.113 ; 139.345,70.164 139.497,70.164 ; 139.345,70.215 139.497,70.215 ; 139.345,70.266 139.497,70.266 ; 139.345,70.316 139.497,70.316 ; 139.345,70.367 139.446,70.367 ; 139.345,73.618 141.123,73.618 ; 139.345,73.923 139.65,73.923 ; 139.396,71.891 140.259,71.891 ; 139.396,73.568 141.123,73.568 ; 139.446,74.38 141.275,74.38 ; 139.446,74.431 141.224,74.431 ; 139.446,74.482 140.412,74.482 ; 139.446,74.533 140.361,74.533 ; 139.446,74.584 140.361,74.584 ; 139.497,71.942 140.767,71.942 ; 139.497,73.263 140.158,73.263 ; 139.497,73.314 140.361,73.314 ; 139.497,74.279 140.92,74.279 ; 139.497,74.33 140.97,74.33 ; 139.497,74.634 140.361,74.634 ; 139.548,73.212 140.107,73.212 ; 139.548,73.517 140.259,73.517 ; 139.548,74.177 141.326,74.177 ; 139.548,74.228 140.97,74.228 ; 139.548,74.685 140.412,74.685 ; 139.548,75.142 140.615,75.142 ; 139.548,75.193 140.564,75.193 ; 139.548,75.244 140.462,75.244 ; 139.599,70.57 139.65,70.57 ; 139.599,70.621 139.65,70.621 ; 139.599,70.672 139.7,70.672 ; 139.599,70.723 140.31,70.723 ; 139.599,71.993 140.767,71.993 ; 139.599,72.602 140.208,72.602 ; 139.599,72.653 140.666,72.653 ; 139.599,73.364 140.361,73.364 ; 139.599,73.415 140.31,73.415 ; 139.599,73.466 140.259,73.466 ; 139.599,74.126 141.377,74.126 ; 139.599,75.092 140.615,75.092 ; 139.599,75.295 140.412,75.295 ; 139.65,72.501 140.259,72.501 ; 139.65,72.552 140.259,72.552 ; 139.65,72.704 140.615,72.704 ; 139.65,72.755 140.564,72.755 ; 139.65,74.076 140.361,74.076 ; 139.7,72.044 141.275,72.044 ; 139.7,72.45 140.31,72.45 ; 139.7,72.806 139.954,72.806 ; 139.7,73.161 140.107,73.161 ; 139.7,75.041 140.666,75.041 ; 139.7,75.346 140.412,75.346 ; 139.751,72.399 140.412,72.399 ; 139.751,74.025 140.361,74.025 ; 139.802,69.961 140.158,69.961 ; 139.802,72.298 140.513,72.298 ; 139.802,72.348 140.462,72.348 ; 139.802,75.396 140.412,75.396 ; 139.853,72.094 141.224,72.094 ; 139.853,72.247 141.326,72.247 ; 139.853,73.974 140.92,73.974 ; 139.853,74.99 140.666,74.99 ; 139.853,75.447 140.412,75.447 ; 139.853,75.498 140.462,75.498 ; 139.904,70.012 140.056,70.012 ; 139.904,70.062 140.056,70.062 ; 139.904,70.113 140.056,70.113 ; 139.904,70.164 140.056,70.164 ; 139.904,70.215 140.056,70.215 ; 139.904,70.266 140.056,70.266 ; 139.904,70.316 140.056,70.316 ; 139.904,70.367 140.056,70.367 ; 139.904,70.418 140.056,70.418 ; 139.904,70.469 140.056,70.469 ; 139.904,70.52 140.056,70.52 ; 139.904,70.57 140.056,70.57 ; 139.904,70.621 140.056,70.621 ; 139.904,70.672 140.056,70.672 ; 139.904,72.145 141.224,72.145 ; 139.904,72.196 141.377,72.196 ; 139.904,73.11 140.107,73.11 ; 139.904,75.549 140.564,75.549 ; 139.954,73.06 140.92,73.06 ; 139.954,73.923 140.92,73.923 ; 139.954,74.736 140.513,74.736 ; 139.954,75.6 140.615,75.6 ; 140.005,73.009 141.377,73.009 ; 140.005,73.872 140.92,73.872 ; 140.005,75.65 140.666,75.65 ; 140.056,74.787 141.275,74.787 ; 140.107,72.958 140.564,72.958 ; 140.107,75.701 140.666,75.701 ; 140.158,72.856 140.462,72.856 ; 140.158,72.907 140.513,72.907 ; 140.208,72.806 140.513,72.806 ; 140.208,73.11 140.818,73.11 ; 140.208,74.838 141.072,74.838 ; 140.208,74.888 140.869,74.888 ; 140.208,74.939 140.716,74.939 ; 140.259,70.672 140.361,70.672 ; 140.259,73.263 140.361,73.263 ; 140.259,75.752 140.513,75.752 ; 140.31,70.57 140.361,70.57 ; 140.31,70.621 140.361,70.621 ; 140.31,73.161 140.564,73.161 ; 140.361,71.891 140.818,71.891 ; 140.361,73.517 140.92,73.517 ; 140.412,72.602 140.767,72.602 ; 140.462,71.84 141.682,71.84 ; 140.462,72.552 140.818,72.552 ; 140.462,73.466 140.92,73.466 ; 140.462,74.025 140.97,74.025 ; 140.462,74.076 141.021,74.076 ; 140.513,71.79 141.732,71.79 ; 140.513,72.501 140.92,72.501 ; 140.564,72.45 141.021,72.45 ; 140.564,73.415 140.97,73.415 ; 140.564,74.482 141.224,74.482 ; 140.615,71.739 141.732,71.739 ; 140.615,72.399 141.072,72.399 ; 140.615,74.736 141.428,74.736 ; 140.666,71.688 141.783,71.688 ; 140.666,72.298 141.275,72.298 ; 140.666,72.348 141.174,72.348 ; 140.666,73.364 141.072,73.364 ; 140.666,74.533 141.224,74.533 ; 140.666,74.685 141.428,74.685 ; 140.716,74.584 141.275,74.584 ; 140.716,74.634 141.428,74.634 ; 140.767,71.637 141.224,71.637 ; 140.767,72.958 141.428,72.958 ; 140.767,73.314 141.174,73.314 ; 140.818,69.808 140.92,69.808 ; 140.818,69.859 140.92,69.859 ; 140.818,69.91 141.275,69.91 ; 140.818,70.418 141.072,70.418 ; 140.818,71.586 141.174,71.586 ; 140.869,69.758 140.92,69.758 ; 140.869,69.961 141.326,69.961 ; 140.869,70.316 141.021,70.316 ; 140.869,70.367 141.021,70.367 ; 140.869,73.263 141.732,73.263 ; 140.92,69.707 141.021,69.707 ; 140.92,70.215 141.021,70.215 ; 140.92,70.266 141.021,70.266 ; 140.92,71.536 141.174,71.536 ; 140.92,71.891 141.631,71.891 ; 140.92,71.942 141.377,71.942 ; 140.92,71.993 141.326,71.993 ; 140.92,73.212 141.783,73.212 ; 140.97,70.164 141.072,70.164 ; 140.97,71.485 141.174,71.485 ; 141.021,72.907 141.428,72.907 ; 141.021,73.161 141.783,73.161 ; 141.021,74.228 141.326,74.228 ; 141.021,74.279 141.326,74.279 ; 141.021,74.33 141.275,74.33 ; 141.072,70.469 141.123,70.469 ; 141.072,72.755 141.428,72.755 ; 141.072,72.806 141.478,72.806 ; 141.072,72.856 141.478,72.856 ; 141.072,74.076 141.377,74.076 ; 141.123,69.707 141.275,69.707 ; 141.123,70.113 141.224,70.113 ; 141.123,70.164 141.275,70.164 ; 141.123,72.704 141.377,72.704 ; 141.123,73.11 141.834,73.11 ; 141.123,73.872 141.478,73.872 ; 141.123,73.923 141.428,73.923 ; 141.123,73.974 141.428,73.974 ; 141.123,74.025 141.428,74.025 ; 141.174,70.012 141.326,70.012 ; 141.174,70.215 141.326,70.215 ; 141.174,70.367 141.275,70.367 ; 141.174,70.418 141.275,70.418 ; 141.174,73.06 141.834,73.06 ; 141.174,73.771 141.529,73.771 ; 141.174,73.822 141.478,73.822 ; 141.224,69.758 141.326,69.758 ; 141.224,69.808 141.326,69.808 ; 141.224,69.859 141.275,69.859 ; 141.224,70.062 141.326,70.062 ; 141.224,70.266 141.326,70.266 ; 141.224,70.316 141.326,70.316 ; 141.224,73.669 141.58,73.669 ; 141.224,73.72 141.529,73.72 ; 141.275,73.568 141.631,73.568 ; 141.275,73.618 141.58,73.618 ; 141.326,72.145 141.428,72.145 ; 141.326,73.466 141.631,73.466 ; 141.326,73.517 141.631,73.517 ; 141.377,71.637 141.834,71.637 ; 141.377,72.044 141.529,72.044 ; 141.377,72.094 141.478,72.094 ; 141.377,73.314 141.732,73.314 ; 141.377,73.364 141.682,73.364 ; 141.377,73.415 141.682,73.415 ; 141.428,69.961 141.682,69.961 ; 141.428,71.586 141.834,71.586 ; 141.428,71.942 141.631,71.942 ; 141.428,71.993 141.58,71.993 ; 141.478,70.012 141.631,70.012 ; 141.478,70.062 141.631,70.062 ; 141.478,70.113 141.631,70.113 ; 141.478,70.164 141.631,70.164 ; 141.478,70.215 141.631,70.215 ; 141.478,70.266 141.631,70.266 ; 141.478,70.316 141.631,70.316 ; 141.529,70.367 141.631,70.367 ; 141.529,70.418 141.732,70.418 ; 141.529,71.536 141.885,71.536 ; 141.529,73.009 141.885,73.009 ; 141.58,70.469 141.631,70.469 ; 141.58,72.907 141.936,72.907 ; 141.58,72.958 141.936,72.958 ; 141.631,71.485 141.885,71.485 ; 141.631,72.856 141.986,72.856 ; 141.682,71.434 141.885,71.434 ; 141.682,72.755 142.037,72.755 ; 141.682,72.806 141.986,72.806 ; 141.732,72.653 142.088,72.653 ; 141.732,72.704 142.037,72.704 ; 141.783,69.961 142.037,69.961 ; 141.783,70.367 141.986,70.367 ; 141.783,72.552 142.139,72.552 ; 141.783,72.602 142.088,72.602 ; 141.834,70.012 141.986,70.012 ; 141.834,70.062 141.936,70.062 ; 141.834,70.113 141.936,70.113 ; 141.834,70.164 141.936,70.164 ; 141.834,70.215 141.936,70.215 ; 141.834,70.266 141.936,70.266 ; 141.834,70.316 141.936,70.316 ; 141.834,70.418 142.037,70.418 ; 141.834,70.469 141.885,70.469 ; 141.834,72.45 142.19,72.45 ; 141.834,72.501 142.19,72.501 ; 141.885,72.399 142.24,72.399 ; 141.936,72.298 142.291,72.298 ; 141.936,72.348 142.24,72.348 ; 141.986,72.247 142.291,72.247 ; 142.037,72.196 142.291,72.196 ; 142.088,69.961 142.342,69.961 ; 142.088,72.145 142.291,72.145 ; 142.139,70.012 142.291,70.012 ; 142.139,70.062 142.291,70.062 ; 142.139,70.113 142.291,70.113 ; 142.139,70.164 142.291,70.164 ; 142.139,70.215 142.291,70.215 ; 142.139,70.266 142.291,70.266 ; 142.139,70.316 142.291,70.316 ; 142.139,70.367 142.291,70.367 ; 142.139,70.418 142.342,70.418 ; 142.139,70.469 142.24,70.469 ; 142.139,70.672 142.291,70.672 ; 142.139,70.723 142.291,70.723 ; 142.139,72.094 142.291,72.094 ; 142.19,70.774 142.24,70.774 ; 142.444,69.707 142.647,69.707 ; 142.494,69.758 142.596,69.758 ; 142.494,69.808 142.596,69.808 ; 142.494,69.859 142.596,69.859 ; 142.494,69.91 142.596,69.91 ; 142.494,69.961 142.596,69.961 ; 142.494,70.012 142.596,70.012 ; 142.494,70.062 142.647,70.062 ; 142.494,70.113 142.596,70.113 ; 142.494,70.164 142.596,70.164 ; 142.494,70.215 142.596,70.215 ; 142.494,70.266 142.596,70.266 ; 142.494,70.316 142.596,70.316 ; 142.494,70.367 142.647,70.367 ; 142.494,70.418 142.647,70.418 ; 142.647,70.012 142.952,70.012 ; 142.748,69.961 142.85,69.961 ; 142.748,70.418 142.85,70.418 ; 142.799,70.062 142.952,70.062 ; 142.799,70.367 142.901,70.367 ; 142.85,70.113 142.952,70.113 ; 142.85,70.164 143.002,70.164 ; 142.85,70.215 142.952,70.215 ; 142.85,70.266 142.952,70.266 ; 142.85,70.316 142.952,70.316 ; 143.053,70.367 143.104,70.367 ; 143.053,70.418 143.358,70.418 ; 143.104,69.758 143.206,69.758 ; 143.104,69.808 143.155,69.808 ; 143.104,69.859 143.206,69.859 ; 143.104,69.91 143.51,69.91 ; 143.104,69.961 143.561,69.961 ; 143.155,70.266 143.256,70.266 ; 143.155,70.316 143.256,70.316 ; 143.155,70.367 143.307,70.367 ; 143.206,69.707 143.256,69.707 ; 143.206,70.164 143.358,70.164 ; 143.206,70.215 143.307,70.215 ; 143.358,69.707 143.561,69.707 ; 143.358,70.469 143.409,70.469 ; 143.409,70.113 143.46,70.113 ; 143.409,70.164 143.51,70.164 ; 143.409,70.418 143.51,70.418 ; 143.46,69.758 143.612,69.758 ; 143.46,70.012 143.612,70.012 ; 143.46,70.062 143.561,70.062 ; 143.46,70.215 143.561,70.215 ; 143.46,70.266 143.612,70.266 ; 143.46,70.316 143.561,70.316 ; 143.46,70.367 143.561,70.367 ; 143.51,69.808 143.612,69.808 ; 143.51,69.859 143.561,69.859 ; 143.561,74.685 144.933,74.685 ; 143.561,74.736 144.272,74.736 ; 143.612,74.634 144.882,74.634 ; 143.612,74.787 144.12,74.787 ; 143.663,73.72 144.171,73.72 ; 143.663,73.771 144.222,73.771 ; 143.663,73.822 144.374,73.822 ; 143.663,73.872 145.238,73.872 ; 143.663,73.923 145.187,73.923 ; 143.663,74.584 144.933,74.584 ; 143.714,69.961 143.968,69.961 ; 143.714,73.618 144.171,73.618 ; 143.714,73.669 144.171,73.669 ; 143.714,73.974 144.171,73.974 ; 143.764,70.012 143.917,70.012 ; 143.764,70.062 143.917,70.062 ; 143.764,70.113 143.866,70.113 ; 143.764,70.164 143.866,70.164 ; 143.764,70.215 143.866,70.215 ; 143.764,70.266 143.917,70.266 ; 143.764,70.316 143.917,70.316 ; 143.764,70.367 143.917,70.367 ; 143.764,73.517 144.222,73.517 ; 143.764,73.568 144.222,73.568 ; 143.764,74.533 144.933,74.533 ; 143.815,70.418 144.018,70.418 ; 143.815,73.466 144.272,73.466 ; 143.866,73.415 144.272,73.415 ; 143.917,73.314 144.323,73.314 ; 143.917,73.364 144.323,73.364 ; 143.917,75.447 144.628,75.447 ; 143.917,75.498 144.577,75.498 ; 143.968,71.434 145.441,71.434 ; 143.968,71.485 145.39,71.485 ; 143.968,71.536 145.339,71.536 ; 143.968,71.586 145.288,71.586 ; 143.968,71.637 145.288,71.637 ; 143.968,73.263 144.374,73.263 ; 143.968,75.346 144.78,75.346 ; 143.968,75.396 144.679,75.396 ; 143.968,75.549 144.476,75.549 ; 144.018,69.961 144.272,69.961 ; 144.018,71.332 145.39,71.332 ; 144.018,71.383 145.441,71.383 ; 144.018,73.212 145.136,73.212 ; 144.018,75.295 144.831,75.295 ; 144.018,75.6 144.425,75.6 ; 144.069,70.012 144.222,70.012 ; 144.069,70.367 144.222,70.367 ; 144.069,71.688 145.238,71.688 ; 144.069,73.161 145.542,73.161 ; 144.069,74.482 144.933,74.482 ; 144.069,75.244 144.933,75.244 ; 144.069,75.65 144.374,75.65 ; 144.12,70.062 144.222,70.062 ; 144.12,70.113 144.222,70.113 ; 144.12,70.164 144.222,70.164 ; 144.12,70.215 144.222,70.215 ; 144.12,70.266 144.222,70.266 ; 144.12,70.316 144.222,70.316 ; 144.12,70.418 144.272,70.418 ; 144.12,70.469 144.171,70.469 ; 144.12,73.06 145.542,73.06 ; 144.12,73.11 145.542,73.11 ; 144.12,75.701 144.323,75.701 ; 144.171,73.009 145.542,73.009 ; 144.171,75.193 144.984,75.193 ; 144.222,72.958 145.542,72.958 ; 144.272,72.45 144.984,72.45 ; 144.272,72.501 144.984,72.501 ; 144.272,72.907 145.492,72.907 ; 144.272,74.431 144.984,74.431 ; 144.272,75.142 145.034,75.142 ; 144.323,72.399 145.034,72.399 ; 144.323,72.806 145.492,72.806 ; 144.323,72.856 145.492,72.856 ; 144.374,70.164 144.526,70.164 ; 144.374,70.215 144.526,70.215 ; 144.374,70.266 144.526,70.266 ; 144.374,72.298 144.984,72.298 ; 144.374,72.348 145.136,72.348 ; 144.374,72.755 145.085,72.755 ; 144.374,74.38 145.085,74.38 ; 144.374,75.092 145.136,75.092 ; 144.425,70.062 144.526,70.062 ; 144.425,70.113 144.526,70.113 ; 144.425,70.316 144.526,70.316 ; 144.425,70.367 144.577,70.367 ; 144.425,72.247 144.933,72.247 ; 144.425,72.704 145.085,72.704 ; 144.425,73.822 145.288,73.822 ; 144.425,74.33 145.238,74.33 ; 144.476,70.012 144.577,70.012 ; 144.476,70.418 144.628,70.418 ; 144.476,71.739 145.238,71.739 ; 144.476,72.145 144.933,72.145 ; 144.476,72.196 144.933,72.196 ; 144.476,72.552 144.984,72.552 ; 144.476,74.279 145.339,74.279 ; 144.526,71.79 145.288,71.79 ; 144.526,71.84 145.339,71.84 ; 144.526,72.044 144.933,72.044 ; 144.526,72.094 144.933,72.094 ; 144.526,73.263 145.085,73.263 ; 144.526,73.771 145.288,73.771 ; 144.526,73.974 145.136,73.974 ; 144.526,74.228 144.984,74.228 ; 144.526,74.736 144.933,74.736 ; 144.526,75.041 145.238,75.041 ; 144.577,69.961 144.73,69.961 ; 144.577,71.891 145.034,71.891 ; 144.577,71.942 144.984,71.942 ; 144.577,71.993 144.933,71.993 ; 144.577,72.602 144.984,72.602 ; 144.577,72.653 145.034,72.653 ; 144.577,73.314 145.034,73.314 ; 144.577,73.364 144.984,73.364 ; 144.577,73.415 144.933,73.415 ; 144.577,73.466 144.933,73.466 ; 144.577,73.517 144.933,73.517 ; 144.577,73.568 144.984,73.568 ; 144.577,73.618 145.39,73.618 ; 144.577,73.669 145.39,73.669 ; 144.577,73.72 145.339,73.72 ; 144.577,74.025 145.034,74.025 ; 144.577,74.076 144.984,74.076 ; 144.577,74.126 144.933,74.126 ; 144.577,74.177 144.933,74.177 ; 144.577,74.787 144.984,74.787 ; 144.577,74.838 145.034,74.838 ; 144.577,74.888 145.136,74.888 ; 144.577,74.939 145.39,74.939 ; 144.577,74.99 145.288,74.99 ; 144.679,70.012 144.831,70.012 ; 144.73,70.062 144.882,70.062 ; 144.73,70.418 144.78,70.418 ; 144.78,70.113 144.882,70.113 ; 144.78,70.164 144.933,70.164 ; 144.78,70.215 144.933,70.215 ; 144.78,70.266 144.882,70.266 ; 144.78,70.316 144.882,70.316 ; 144.78,70.367 144.882,70.367